# KiCad board amix 68k (r0).kicad_pcb
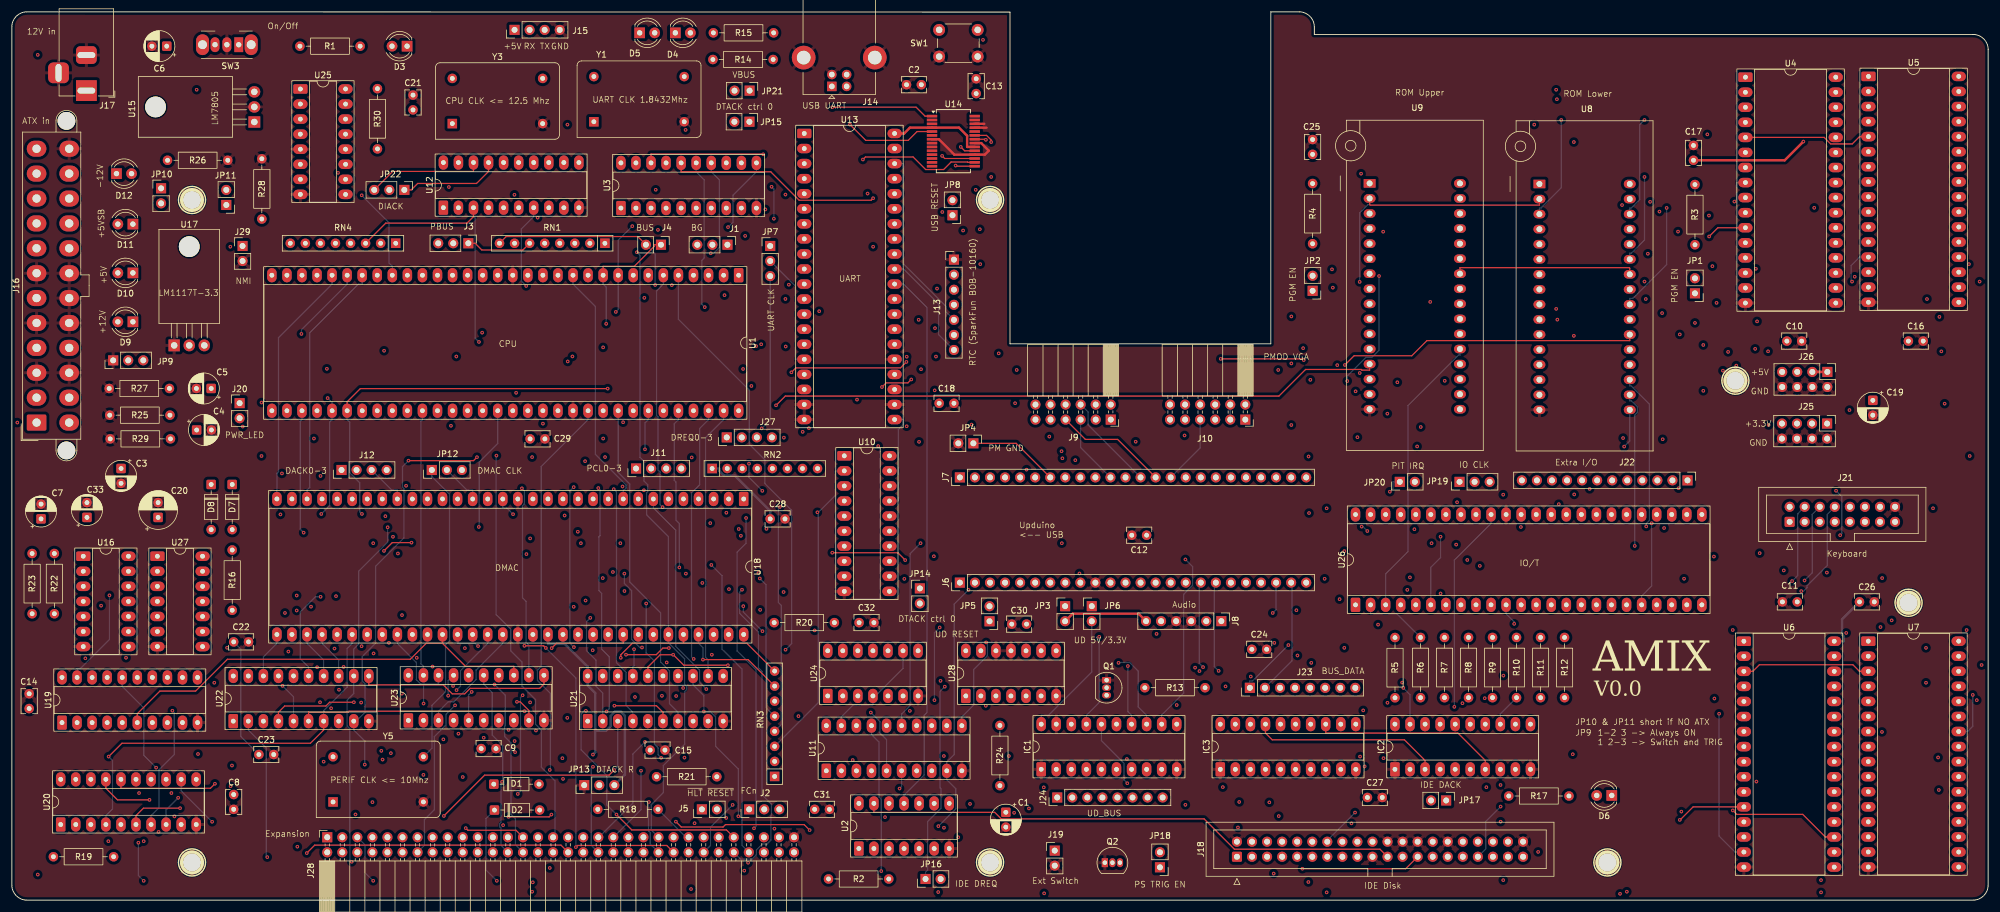
[diagram p0: board, top side]
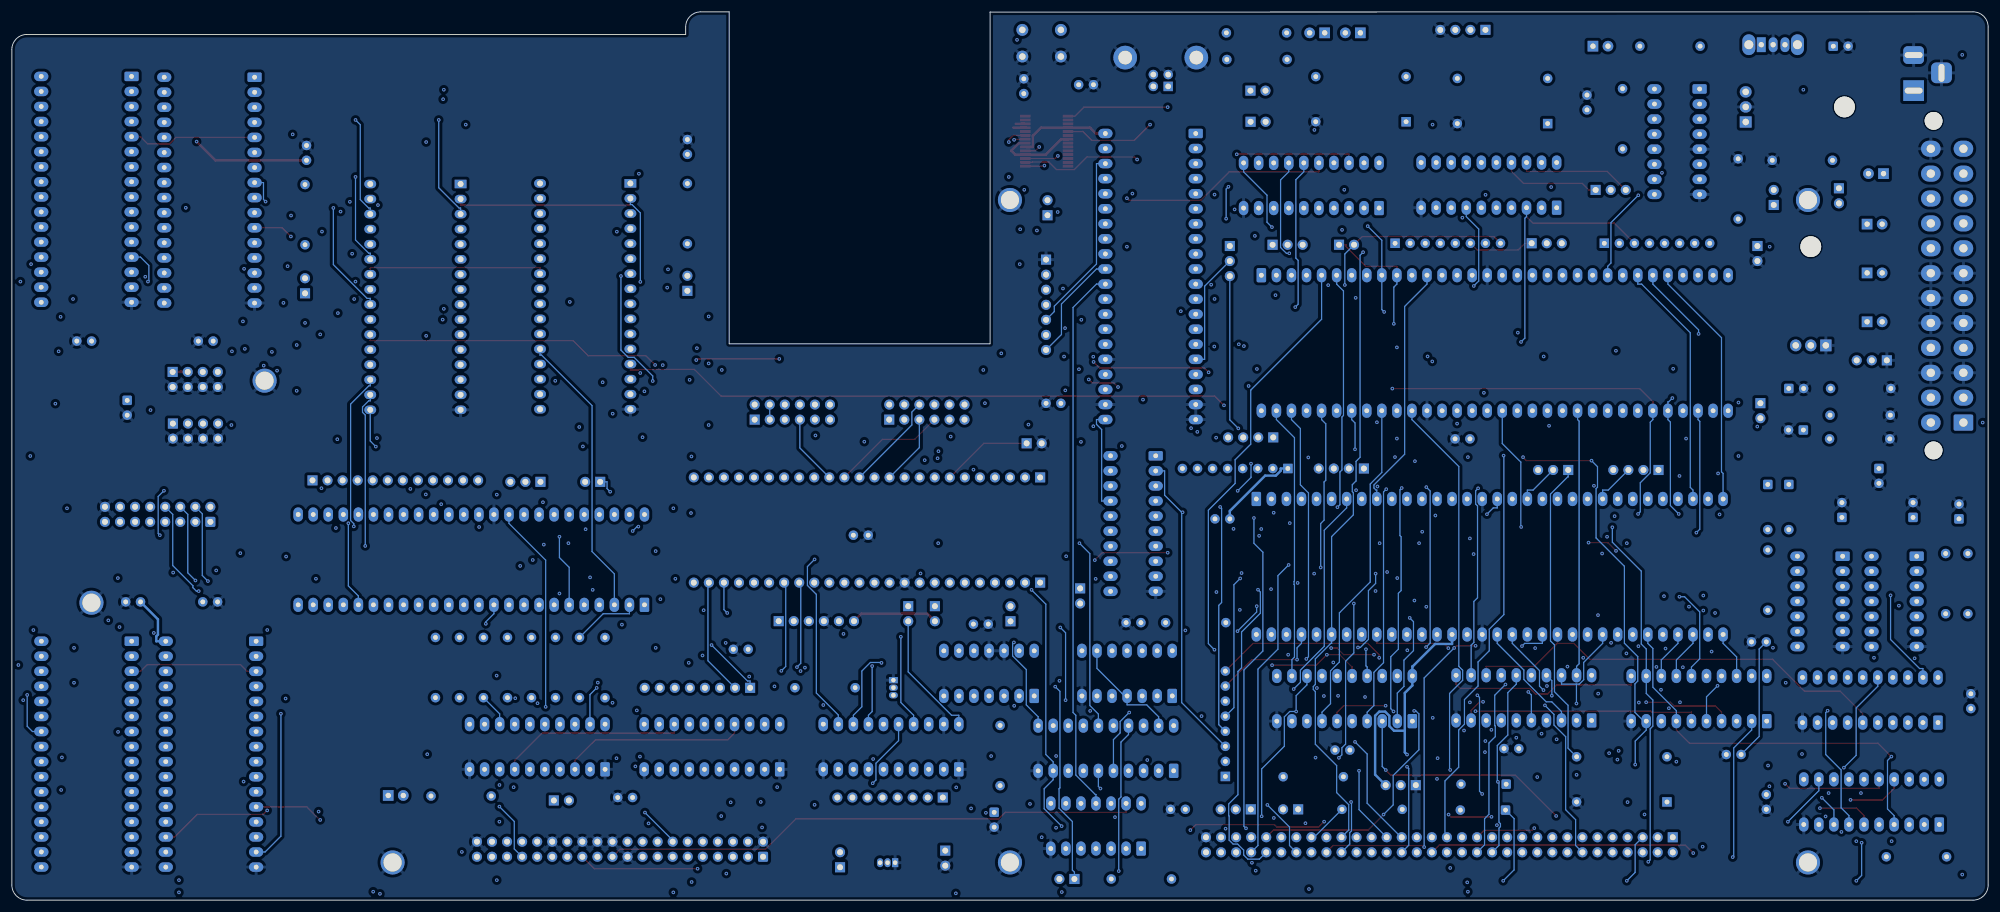
[diagram p1: board, bottom side, seen from below]

Outline 333.38 x 149.86 mm; copper layers: Top, In1.Cu, In2.Cu, Bottom. Coordinates in mm from the lower left corner of the outline.
Outline path: 0,147.32 arc(0.74,149.12) 2.54,149.86 168.37,149.82 168.37,93.86 212.37,93.86 212.37,149.86 217.17,149.86 arc(218.97,149.12) 219.71,147.32 219.71,146.05 330.84,146.05 arc(332.63,145.31) 333.38,143.51 333.38,2.54 arc(332.63,0.74) 330.84,0 2.54,0 arc(0.74,0.74) 0,2.54 0,147.32
Stack: Top 0.035mm / dielectric 0.1mm FR4 er 4.5 / In1.Cu 0.035mm / dielectric 1.24mm FR4 er 4.5 / In2.Cu 0.035mm / dielectric 0.1mm FR4 er 4.5 / Bottom 0.035mm

## Placement (name value [footprint] x y rotation side)
C1  C_Polarized  [CP_Radial_D5.0mm_P2.50mm]  167.67 14.82 270 top
C2  1uF  [C_Rect_L4.0mm_W2.5mm_P2.50mm]  150.92 137.57 0 top
C3  10uF  [CP_Radial_D5.0mm_P2.50mm]  18.42 72.82 270 top
C4  1uF  [CP_Radial_D5.0mm_P2.50mm]  31.17 79.32 0 top
C5  10uF  [CP_Radial_D5.0mm_P2.50mm]  33.63 86.32 180 top
C6  1uF  [CP_Radial_D5.0mm_P2.50mm]  26.13 144.07 180 top
C7  10uF  [CP_Radial_D5.0mm_P2.50mm]  4.92 64.32 90 top
C8  100nF  [C_Rect_L4.0mm_W2.5mm_P2.50mm]  37.42 17.82 270 top
C9  100nF  [C_Rect_L4.0mm_W2.5mm_P2.50mm]  79.17 25.57 0 top
C10  100nF  [C_Rect_L4.0mm_W2.5mm_P2.50mm]  299.42 94.32 0 top
C11  100nF  [C_Rect_L4.0mm_W2.5mm_P2.50mm]  301.17 50.32 180 top
C12  100nF  [C_Rect_L4.0mm_W2.5mm_P2.50mm]  191.42 61.57 180 top
C13  100nF  [C_Rect_L4.0mm_W2.5mm_P2.50mm]  162.67 136.07 90 top
C14  100nF  [C_Rect_L4.0mm_W2.5mm_P2.50mm]  2.92 32.32 90 top
C15  100nF  [C_Rect_L4.0mm_W2.5mm_P2.50mm]  107.67 25.32 0 top
C16  100nF  [C_Rect_L4.0mm_W2.5mm_P2.50mm]  319.92 94.32 0 top
C17  100nF  [C_Rect_L4.0mm_W2.5mm_P2.50mm]  283.67 124.82 90 top
C18  100nF  [C_Rect_L4.0mm_W2.5mm_P2.50mm]  156.42 83.82 0 top
C19  100uF  [CP_Radial_D5.0mm_P2.50mm]  313.92 84.32 270 top
C20  220uF  [CP_Radial_D6.3mm_P2.50mm]  24.67 64.57 90 top
C21  100nF  [C_Rect_L4.0mm_W2.5mm_P2.50mm]  67.67 133.32 90 top
C22  100nF  [C_Rect_L4.0mm_W2.5mm_P2.50mm]  37.42 43.57 0 top
C23  100nF  [C_Rect_L4.0mm_W2.5mm_P2.50mm]  41.67 24.57 0 top
C24  100nF  [C_Rect_L4.0mm_W2.5mm_P2.50mm]  209.17 42.32 0 top
C25  100nF  [C_Rect_L4.0mm_W2.5mm_P2.50mm]  219.42 125.82 90 top
C26  100nF  [C_Rect_L4.0mm_W2.5mm_P2.50mm]  311.67 50.32 0 top
C27  100nF  [C_Rect_L4.0mm_W2.5mm_P2.50mm]  228.67 17.32 0 top
C28  100nF  [C_Rect_L4.0mm_W2.5mm_P2.50mm]  127.92 64.32 0 top
C29  100nF  [C_Rect_L4.0mm_W2.5mm_P2.50mm]  87.42 77.82 0 top
C30  100nF  [C_Rect_L4.0mm_W2.5mm_P2.50mm]  171.17 46.57 180 top
C31  100nF  [C_Rect_L4.0mm_W2.5mm_P2.50mm]  135.42 15.32 0 top
C32  100nF  [C_Rect_L4.0mm_W2.5mm_P2.50mm]  142.92 46.82 0 top
C33  1uF  [CP_Radial_D5.0mm_P2.50mm]  12.67 64.57 90 top
D1  D  [D_DO-35_SOD27_P7.62mm_Horizontal]  81.3 19.57 0 top
D2  D  [D_DO-35_SOD27_P7.62mm_Horizontal]  81.41 15.2 0 top
D3  LED  [LED_D4.0mm]  66.67 144.07 180 top
D4  LED  [LED_D4.0mm]  111.92 146.32 0 top
D5  LED  [LED_D4.0mm]  105.9 146.32 0 top
D6  LED  [LED_D4.0mm]  269.88 17.66 180 top
D7  1N4148  [D_DO-35_SOD27_P7.62mm_Horizontal]  37.17 70.13 270 top
D8  1N4148  [D_DO-35_SOD27_P7.62mm_Horizontal]  33.62 70.13 270 top
D9  LED_+12  [LED_D4.0mm]  20.42 97.57 180 top
D10  LED_+5  [LED_D4.0mm]  20.42 105.82 180 top
D11  LED_+5SB  [LED_D4.0mm]  20.42 114.05 180 top
D12  LED_-12  [LED_D4.0mm]  17.65 122.57 0 top
HOLE1  HOLE  [Hole_3mm]  30.39 118.12 0 top
HOLE2  HOLE  [Hole_3mm]  165.01 118.12 0 top
HOLE3  HOLE  [Hole_3mm]  290.74 87.64 0 top
HOLE4  HOLE  [Hole_3mm]  30.39 6.36 0 top
HOLE5  HOLE  [Hole_3mm]  165.01 6.36 0 top
HOLE6  HOLE  [Hole_3mm]  269.15 6.36 0 top
HOLE7  HOLE  [Hole_3mm]  319.95 50.17 0 top
IC1  74HCT245  [DIP-20_W7.62mm_Socket_LongPads]  173.64 22.07 90 top
IC2  74HCT245  [DIP-20_W7.62mm_Socket_LongPads]  233.31 22.07 90 top
IC3  74HCT245  [DIP-20_W7.62mm_Socket_LongPads]  203.85 22.07 90 top
J1  BG  [PinHeader_1x03_P2.54mm_Vertical]  120.71 110.57 270 top
J2  FCx  [PinHeader_1x03_P2.54mm_Vertical]  124.38 15.32 90 top
J3  PRF  [PinHeader_1x03_P2.54mm_Vertical]  77 110.82 270 top
J4  BUS_STAT  [PinHeader_1x02_P2.54mm_Vertical]  109.5 110.57 270 top
J5  HLT and RESET  [PinHeader_1x02_P2.54mm_Vertical]  116.39 15.32 90 top
J6  Upduino_LHS  [PinHeader_1x24_P2.54mm_Vertical]  159.92 53.57 90 top
J7  Upduino_RHS  [PinHeader_1x24_P2.54mm_Vertical]  159.92 71.32 90 top
J8  Conn_01x06_Pin  [PinHeader_1x06_P2.54mm_Vertical]  204.02 47.07 270 top
J9  PMOD_TOP  [PinSocket_2x06_P2.54mm_Horizontal]  185.37 81.07 270 top
J10  PMOD_BOTTOM  [PinSocket_2x06_P2.54mm_Horizontal]  208.07 81.07 270 top
J11  Conn_01x04_Pin  [PinHeader_1x04_P2.54mm_Vertical]  105.3 72.82 90 top
J12  Conn_01x04_Pin  [PinHeader_1x04_P2.54mm_Vertical]  55.61 72.57 90 top
J13  RTC (SparkFun BOB-10160)  [PinHeader_1x07_P2.54mm_Vertical]  158.92 108.06 0 top
J14  USB_B  [USB_B_Lumberg_2411_02_Horizontal]  138.32 137.28 90 top
J15  Conn_01x04_Pin  [PinHeader_1x04_P2.54mm_Vertical]  84.8 146.82 90 top
J16  ATX-24 - IF NO 12V in  [Molex_Mini-Fit_Jr_5566-24A2_2x12_P4.20mm_Vertical]  4.17 80.57 90 top
J17  12V in if NO ATX  [BarrelJack_Horizontal]  12.57 136.57 270 top
J18  IDE 40 pin  [IDC-Header_2x20_P2.54mm_Vertical]  206.66 7.32 90 top
J19  ExtPWRON  [PinHeader_1x02_P2.54mm_Vertical]  175.92 8.36 0 top
J20  PWR_LED  [PinHeader_1x02_P2.54mm_Vertical]  38.42 83.84 0 top
J21  Conn_02x08_Odd_Even  [IDC-Header_2x08_P2.54mm_Vertical]  299.89 63.82 90 top
J22  PPI  [PinHeader_1x12_P2.54mm_Vertical]  282.66 70.82 270 top
J23  Conn_01x08_Pin  [PinHeader_1x08_P2.54mm_Vertical]  208.84 35.82 90 top
J24  Conn_01x08_Pin  [PinHeader_1x08_P2.54mm_Vertical]  176.34 17.32 90 top
J25  Conn_02x04_Odd_Even  [PinHeader_2x04_P2.54mm_Vertical]  306.21 80.4 270 top
J26  Conn_02x04_Odd_Even  [PinHeader_2x04_P2.54mm_Vertical]  306.25 89.11 270 top
J27  Conn_01x04_Pin  [PinHeader_1x04_P2.54mm_Vertical]  120.59 78.07 90 top
J28  Conn_02x32_Odd_Even  [PinSocket_2x32_P2.54mm_Horizontal]  53.2 10.61 90 top
J29  NMI  [PinHeader_1x02_P2.54mm_Vertical]  38.92 110.36 0 top
JP1  Jumper_2_Open  [PinHeader_1x02_P2.54mm_Vertical]  283.92 102.37 180 top
JP2  Jumper_2_Open  [PinHeader_1x02_P2.54mm_Vertical]  219.42 102.79 180 top
JP3  Jumper  [PinHeader_1x02_P2.54mm_Vertical]  177.67 49.59 0 top
JP4  Jumper  [PinHeader_1x02_P2.54mm_Vertical]  162.19 77.07 270 top
JP5  Jumper  [PinHeader_1x02_P2.54mm_Vertical]  164.92 47.04 180 top
JP6  Jumper  [PinHeader_1x02_P2.54mm_Vertical]  182.17 49.59 0 top
JP7  Jumper_3_Bridged12  [PinHeader_1x03_P2.54mm_Vertical]  127.92 110.36 0 top
JP8  Jumper_2_Open  [PinHeader_1x02_P2.54mm_Vertical]  158.67 115.54 180 top
JP9  1-2 3 - > Always ON, 1 2-3  -> Enabled On/Off  [PinHeader_1x03_P2.54mm_Vertical]  17.09 91.07 90 top
JP10  Close only if NO ATX  [PinHeader_1x02_P2.54mm_Vertical]  25.17 120.09 0 top
JP11  Close only if NO ATX  [PinHeader_1x02_P2.54mm_Vertical]  36.17 117.28 180 top
JP12  DMAC CLK  [PinHeader_1x03_P2.54mm_Vertical]  70.84 72.57 90 top
JP13  DTACK_Pull UP/DOWN  [PinHeader_1x03_P2.54mm_Vertical]  96.55 19.4 90 top
JP14  DTACK ctrl 0  [PinHeader_1x02_P2.54mm_Vertical]  153.17 52.59 0 top
JP15  DTACK ctrl 0  [PinHeader_1x02_P2.54mm_Vertical]  124.42 131.32 270 top
JP16  DMAAC_REQ0 = IDE  [PinHeader_1x02_P2.54mm_Vertical]  154.13 3.57 90 top
JP17  DMAAC_ACK0 = IDE  [PinHeader_1x02_P2.54mm_Vertical]  241.94 16.82 270 top
JP18  Jumper_2_Bridged  [PinHeader_1x02_P2.54mm_Vertical]  193.67 5.54 180 top
JP19  Jumper_3_Bridged12  [PinHeader_1x03_P2.54mm_Vertical]  244.21 70.57 90 top
JP20  Jumper_2_Bridged  [PinHeader_1x02_P2.54mm_Vertical]  234.13 70.57 90 top
JP21  Jumper_2_Open  [PinHeader_1x02_P2.54mm_Vertical]  124.44 136.57 270 top
JP22  Jumper_3_Bridged12  [PinHeader_1x03_P2.54mm_Vertical]  66.21 119.82 270 top
Q1  2N3904  [TO-92_Inline]  184.67 37.11 270 top
Q2  2N3904  [TO-92_Inline]  184.38 6.32 0 top
R1  1k  [R_Axial_DIN0207_L6.3mm_D2.5mm_P10.16mm_Horizontal]  48.59 144.07 0 top
R2  1k  [R_Axial_DIN0207_L6.3mm_D2.5mm_P10.16mm_Horizontal]  147.92 3.57 180 top
R3  10k  [R_Axial_DIN0207_L6.3mm_D2.5mm_P10.16mm_Horizontal]  283.92 110.57 90 top
R4  10k  [R_Axial_DIN0207_L6.3mm_D2.5mm_P10.16mm_Horizontal]  219.42 110.74 90 top
R5  R  [R_Axial_DIN0207_L6.3mm_D2.5mm_P10.16mm_Horizontal]  233.32 34.14 90 top
R6  R  [R_Axial_DIN0207_L6.3mm_D2.5mm_P10.16mm_Horizontal]  237.62 34.16 90 top
R7  R  [R_Axial_DIN0207_L6.3mm_D2.5mm_P10.16mm_Horizontal]  241.67 34.16 90 top
R8  R  [R_Axial_DIN0207_L6.3mm_D2.5mm_P10.16mm_Horizontal]  245.72 34.16 90 top
R9  R  [R_Axial_DIN0207_L6.3mm_D2.5mm_P10.16mm_Horizontal]  249.77 34.16 90 top
R10  R  [R_Axial_DIN0207_L6.3mm_D2.5mm_P10.16mm_Horizontal]  253.82 34.16 90 top
R11  R  [R_Axial_DIN0207_L6.3mm_D2.5mm_P10.16mm_Horizontal]  257.87 34.16 90 top
R12  R  [R_Axial_DIN0207_L6.3mm_D2.5mm_P10.16mm_Horizontal]  261.92 34.16 90 top
R13  150k  [R_Axial_DIN0207_L6.3mm_D2.5mm_P10.16mm_Horizontal]  201.28 35.84 180 top
R14  1k  [R_Axial_DIN0207_L6.3mm_D2.5mm_P10.16mm_Horizontal]  118.26 141.82 0 top
R15  1k  [R_Axial_DIN0207_L6.3mm_D2.5mm_P10.16mm_Horizontal]  118.34 146.32 0 top
R16  10k  [R_Axial_DIN0207_L6.3mm_D2.5mm_P10.16mm_Horizontal]  37.17 48.91 90 top
R17  1k  [R_Axial_DIN0207_L6.3mm_D2.5mm_P10.16mm_Horizontal]  262.67 17.57 180 top
R18  10k  [R_Axial_DIN0207_L6.3mm_D2.5mm_P10.16mm_Horizontal]  98.84 15.32 0 top
R19  10k  [R_Axial_DIN0207_L6.3mm_D2.5mm_P10.16mm_Horizontal]  17.17 7.32 180 top
R20  10k  [R_Axial_DIN0207_L6.3mm_D2.5mm_P10.16mm_Horizontal]  128.59 46.82 0 top
R21  10k  [R_Axial_DIN0207_L6.3mm_D2.5mm_P10.16mm_Horizontal]  108.76 20.82 0 top
R22  10k  [R_Axial_DIN0207_L6.3mm_D2.5mm_P10.16mm_Horizontal]  7.17 58.48 270 top
R23  470  [R_Axial_DIN0207_L6.3mm_D2.5mm_P10.16mm_Horizontal]  3.42 48.32 90 top
R24  150k  [R_Axial_DIN0207_L6.3mm_D2.5mm_P10.16mm_Horizontal]  166.67 29.48 270 top
R25  680  [R_Axial_DIN0207_L6.3mm_D2.5mm_P10.16mm_Horizontal]  26.67 81.82 180 top
R26  680  [R_Axial_DIN0207_L6.3mm_D2.5mm_P10.16mm_Horizontal]  26.26 124.82 0 top
R27  330  [R_Axial_DIN0207_L6.3mm_D2.5mm_P10.16mm_Horizontal]  26.58 86.32 180 top
R28  330  [R_Axial_DIN0207_L6.3mm_D2.5mm_P10.16mm_Horizontal]  42.17 114.91 90 top
R29  330  [R_Axial_DIN0207_L6.3mm_D2.5mm_P10.16mm_Horizontal]  26.75 77.82 180 top
R30  10k  [R_Axial_DIN0207_L6.3mm_D2.5mm_P10.16mm_Horizontal]  61.67 136.9 270 top
RN1  R_Network07  [R_Array_SIP8]  100.04 110.82 180 top
RN2  R_Network07  [R_Array_SIP8]  118.13 72.82 0 top
RN3  R_Network07  [R_Array_SIP8]  128.67 20.87 90 top
RN4  R_Network07  [R_Array_SIP8]  64.75 110.82 180 top
SW1  Reset  [SW_PUSH_6mm]  156.42 146.82 0 top
SW3  SW_SPDT  [SW_Slide_SPDT_Angled_CK_OS102011MA1Q]  38.27 144.32 180 top
U1  MC68010P  [DIP-64_W22.86mm_Socket_LongPads]  122.6 105.43 270 top
U2  74HC14  [DIP-14_W7.62mm_Socket_LongPads]  142.88 8.7 90 top
U3  GAL16V8  [DIP-20_W7.62mm_Socket_LongPads]  102.74 116.76 90 top
U4  AS6C4008-55PCN  [DIP-32_W15.24mm_Socket_LongPads]  292.43 138.84 0 top
U5  AS6C4008-55PCN  [DIP-32_W15.24mm_Socket_LongPads]  313.18 138.97 0 top
U6  AS6C4008-55PCN  [DIP-32_W15.24mm_Socket_LongPads]  292.17 43.68 0 top
U7  AS6C4008-55PCN  [DIP-32_W15.24mm_Socket_LongPads]  313.16 43.69 0 top
U8  SST39SF040  [DIP_Socket-32_W11.9_W12.7_W15.24_W17.78_W18.5_3M_232-1285-00-0602J]  257.68 120.82 0 top
U9  SST39SF040  [DIP_Socket-32_W11.9_W12.7_W15.24_W17.78_W18.5_3M_232-1285-00-0602J]  229.04 120.92 0 top
U10  GAL16V8  [DIP-20_W7.62mm_Socket_LongPads]  140.42 74.96 0 top
U11  GAL16V8  [DIP-20_W7.62mm_Socket_LongPads]  137.39 21.82 90 top
U12  GAL16V8  [DIP-20_W7.62mm_Socket_LongPads]  72.79 116.82 90 top
U13  16550  [DIP-40_W15.24mm_Socket_LongPads]  133.67 129.34 0 top
U14  FT232RL  [SSOP-28_5.3x10.2mm_P0.65mm]  158.82 128.04 0 top
U15  LM7805_TO220  [TO-220-3_Horizontal_TabDown]  40.9 131.28 90 top
U16  74HC74  [DIP-14_W7.62mm_Socket_LongPads]  12.05 58.02 0 top
U17  LM1117T-3.3  [TO-220-3_Horizontal_TabDown]  27.38 93.59 0 top
U18  MC68450  [DIP-64_W22.86mm_Socket_LongPads]  123.45 67.68 270 top
U19  74HC245  [DIP-20_W7.62mm_Socket_LongPads]  8.46 29.95 90 top
U20  74HC245  [DIP-20_W7.62mm_Socket_LongPads]  8.24 12.76 90 top
U21  74HC245  [DIP-20_W7.62mm_Socket_LongPads]  97.13 30.2 90 top
U22  74HC373  [DIP-20_W7.62mm_Socket_LongPads]  37.35 30.2 90 top
U23  74HC373  [DIP-20_W7.62mm_Socket_LongPads]  66.89 30.32 90 top
U24  74LS32  [DIP-14_W7.62mm_Socket_LongPads]  137.63 34.45 90 top
U25  74LS148  [DIP-16_W7.62mm_Socket_LongPads]  48.67 136.85 0 top
U26  68230  [DIP-48_W15.24mm_Socket_LongPads]  226.66 49.82 90 top
U27  74HC14  [DIP-14_W7.62mm_Socket_LongPads]  24.55 58.02 0 top
U28  74HC74  [DIP-14_W7.62mm_Socket_LongPads]  160.92 34.45 90 top
Y1  1.8432Mhz  [Oscillator_DIP-14]  98.18 131.32 0 top
Y3  12Mhz  [Oscillator_DIP-14]  74.3 131.01 0 top
Y5  10Mhz  [Oscillator_DIP-14]  54.18 16.57 0 top

## Library data of the parts
C1 C3-C7 C33 = -: Description: Polarized capacitor; ki_fp_filters: CP_*
C2 = -: Description: Unpolarized capacitor; ki_fp_filters: C_*
C8-C18 C21-C32 = -: ki_fp_filters: C_*
C19 C20 = -: ki_fp_filters: CP_*
D1 D2 = -: Description: Diode; Sim.Pins: 1=K 2=A; ki_fp_filters: TO-???* *_Diode_* *SingleDiode* D_*
D3-D6 D9-D12 = -: Description: Light emitting diode; Sim.Pins: 1=K 2=A; ki_fp_filters: LED* LED_SMD:* LED_THT:*
D7 D8 = -: Datasheet: https://assets.nexperia.com/documents/data-sheet/1N4148_1N4448.pdf; Description: 100V 0.15A standard switching diode, DO-35; Sim.Device: D; Sim.Pins: 1=K 2=A; ki_fp_filters: D*DO?35*
HOLE1-HOLE7 = -: ki_fp_filters: MountingHole*Pad*
IC1-IC3 = -: Datasheet: http://www.ti.com/lit/gpn/sn74LS245; ki_fp_filters: DIP?20*
J1-J3 = -: Description: Generic connector, single row, 01x03, script generated; ki_fp_filters: Connector*:*_1x??_*
J4 J5 J19 J20 J29 = -: Description: Generic connector, single row, 01x02, script generated; ki_fp_filters: Connector*:*_1x??_*
J6 J7 = -: Description: Generic connector, single row, 01x24, script generated; ki_fp_filters: Connector*:*_1x??_*
J8 = -: Description: Generic connector, single row, 01x06, script generated; ki_fp_filters: Connector*:*_1x??_*
J9 J10 = -: ki_fp_filters: Connector*:*_2x??_*
J11 J12 J15 J27 = -: Description: Generic connector, single row, 01x04, script generated; ki_fp_filters: Connector*:*_1x??_*
J13 = -: ki_fp_filters: Connector*:*_1x??_*
J14 = -: Description: USB Type B connector; ki_fp_filters: USB*
J16 = -: Datasheet: https://www.intel.com/content/dam/www/public/us/en/documents/guides/power-supply-design-guide-june.pdf#page=33; Description: ATX Power supply 24pins; ki_fp_filters: *Mini?Fit*2x12*Vertical* *Mini?Fit*2x12*Horizontal*
J17 = -: Description: DC Barrel Jack with an internal switch; ki_fp_filters: BarrelJack*
J18 = -: Description: Generic connector, double row, 02x20, odd/even pin numbering scheme (row 1 odd numbers, row 2 even numbers), script generated (kicad-library-utils/schlib/autogen/connector/); ki_fp_filters: Connector*:*_2x??_*
J21 = -: Description: Generic connector, double row, 02x08, odd/even pin numbering scheme (row 1 odd numbers, row 2 even numbers), script generated (kicad-library-utils/schlib/autogen/connector/); ki_fp_filters: Connector*:*_2x??_*
J22 = -: Description: Generic connector, single row, 01x12, script generated; ki_fp_filters: Connector*:*_1x??_*
J23 J24 = -: Description: Generic connector, single row, 01x08, script generated; ki_fp_filters: Connector*:*_1x??_*
J25 J26 = -: Description: Generic connector, double row, 02x04, odd/even pin numbering scheme (row 1 odd numbers, row 2 even numbers), script generated (kicad-library-utils/schlib/autogen/connector/); ki_fp_filters: Connector*:*_2x??_*
J28 = -: Description: Generic connector, double row, 02x32, odd/even pin numbering scheme (row 1 odd numbers, row 2 even numbers), script generated (kicad-library-utils/schlib/autogen/connector/); ki_fp_filters: Connector*:*_2x??_*
JP1 JP2 JP8 JP10 JP11 JP14 JP15 JP21 = -: Description: Jumper, 2-pole, open; ki_fp_filters: Jumper* TestPoint*2Pads* TestPoint*Bridge*
JP3-JP6 = -: ki_fp_filters: Jumper* TestPoint*2Pads* TestPoint*Bridge*
JP7 JP12 JP13 JP19 JP22 = -: Description: Jumper, 3-pole, pins 1+2 closed/bridged; ki_fp_filters: Jumper* TestPoint*3Pads* TestPoint*Bridge*
JP9 = -: Description: Jumper, 3-pole, both open; ki_fp_filters: Jumper* TestPoint*3Pads* TestPoint*Bridge*
JP16-JP18 JP20 = -: Description: Jumper, 2-pole, closed/bridged; ki_fp_filters: Jumper* TestPoint*2Pads* TestPoint*Bridge*
Q1 Q2 = -: Datasheet: https://www.onsemi.com/pub/Collateral/2N3903-D.PDF; Description: 0.2A Ic, 40V Vce, Small Signal NPN Transistor, TO-92; ki_fp_filters: TO?92*
R1-R30 = -: Description: Resistor; ki_fp_filters: R_*
RN1-RN4 = -: Datasheet: http://www.vishay.com/docs/31509/csc.pdf; Description: 7 resistor network, star topology, bussed resistors, small symbol; ki_fp_filters: R?Array?SIP*
SW1 = -: Description: Push button switch, generic, two pins
SW3 = -: Description: Switch, single pole double throw
U1 = -: Datasheet: https://www.nxp.com/docs/en/reference-manual/MC68000UM.pdf; Description: 16/32-bit microprocessor, 16-bit external data bus, 23-bit external address bus (effectively 24-bit), virtual memory support, loop mode, DIP-64 (900 mil, case 754-01); ki_fp_filters: DIP*W22.86mm*
U2 U27 = -: Datasheet: http://www.ti.com/lit/gpn/sn74HC14; Description: Hex inverter schmitt trigger; ki_fp_filters: DIP*W7.62mm*
U3 U10-U12 = -: Description: Programmable Logic Array, DIP-20/SOIC-20/PLCC-20; ki_fp_filters: DIP* PDIP* SOIC* SO* PLCC*
U4-U7 = -: Datasheet: https://www.alliancememory.com/wp-content/uploads/pdf/AS6C4008.pdf; Description: 512K x 8 Low Power CMOS RAM, DIP-32; ki_fp_filters: DIP*W15.24mm*
U8 U9 = -: Datasheet: http://ww1.microchip.com/downloads/en/DeviceDoc/25022B.pdf; Description: Silicon Storage Technology (SSF) 512k x 8 Flash ROM
U13 = -: Datasheet: http://www.ti.com/lit/ds/symlink/pc16550d.pdf; Description: PC16550D, Universal Asynchronous Receiver/Transmitter with FIFOs, PDIP-40; ki_fp_filters: DIP*W15.24mm*
U14 = -: Datasheet: https://www.ftdichip.com/Support/Documents/DataSheets/ICs/DS_FT232R.pdf; Description: USB to Serial Interface, SSOP-28; ki_fp_filters: SSOP*5.3x10.2mm*P0.65mm*
U15 = -: Datasheet: https://www.onsemi.cn/PowerSolutions/document/MC7800-D.PDF; Description: Positive 1A 35V Linear Regulator, Fixed Output 5V, TO-220; ki_fp_filters: TO?220*
U16 U28 = -: Datasheet: 74xx/74hc_hct74.pdf; Description: Dual D Flip-flop, Set & Reset; ki_fp_filters: DIP*W7.62mm*
U17 = -: Datasheet: http://www.ti.com/lit/ds/symlink/lm1117.pdf; Description: 800mA Low-Dropout Linear Regulator, 3.3V fixed output, TO-220; ki_fp_filters: TO?220*
U19-U21 = -: Datasheet: http://www.ti.com/lit/gpn/sn74HC245; Description: Octal BUS Transceivers, 3-State outputs; ki_fp_filters: DIP?20*
U22 U23 = -: Datasheet: https://www.ti.com/lit/ds/symlink/cd54hc373.pdf; Description: 8-bit Latch, 3-state outputs; ki_fp_filters: DIP?20* SOIC?20* SO?20* SSOP?20* TSSOP?20*
U24 = -: Datasheet: http://www.ti.com/lit/gpn/sn74LS32; Description: Quad 2-input OR; ki_fp_filters: DIP?14*
U25 = -: Datasheet: http://www.ti.com/lit/gpn/sn74LS148; Description: Priority Encoder 3 to 8 cascadable; ki_fp_filters: DIP?16*
U26 = -: Description: PIT Interface parallele et Timer
Y1 Y3 Y5 = -: Datasheet: http://cdn-reichelt.de/documents/datenblatt/B400/OSZI.pdf; Description: Crystal Clock Oscillator, DIP14-style metal package; ki_fp_filters: Oscillator*DIP*14*

## Footprints (pads in the part's own frame, mm; a bottom-side part is the same pattern mirrored in y, then rotated)
BarrelJack_Horizontal
  rect 3.5x3.5 hole 1x3: 1(0,0)
  rrect 3x3.5 hole 1x3: 2(-6,0)
  rrect 3.5x3.5 hole 3x1: 3(-3,-4.7)
C_Rect_L4.0mm_W2.5mm_P2.50mm
  round 1.6 hole 0.8: 1(0,0) 2(2.5,0)
CP_Radial_D5.0mm_P2.50mm
  rrect 1.6x1.6 hole 0.8: 1(0,0)
  round 1.6 hole 0.8: 2(2.5,0)
CP_Radial_D6.3mm_P2.50mm
  rrect 1.6x1.6 hole 0.8: 1(0,0)
  round 1.6 hole 0.8: 2(2.5,0)
D_DO-35_SOD27_P7.62mm_Horizontal
  rrect 1.6x1.6 hole 0.8: 1(0,0)
  round 1.6 hole 0.8: 2(7.62,0)
DIP-14_W7.62mm_Socket_LongPads
  rrect 2.4x1.6 hole 0.8: 1(0,0)
  oval 2.4x1.6 hole 0.8: 2(0,-2.54) 3(0,-5.08) 4(0,-7.62) 5(0,-10.16) 6(0,-12.7) 7(0,-15.24) 8(7.62,-15.24) 9(7.62,-12.7) 10(7.62,-10.16) 11(7.62,-7.62) 12(7.62,-5.08) 13(7.62,-2.54) 14(7.62,0)
DIP-16_W7.62mm_Socket_LongPads
  rrect 2.4x1.6 hole 0.8: 1(0,0)
  oval 2.4x1.6 hole 0.8: 2(0,-2.54) 3(0,-5.08) 4(0,-7.62) 5(0,-10.16) 6(0,-12.7) 7(0,-15.24) 8(0,-17.78) 9(7.62,-17.78) 10(7.62,-15.24) 11(7.62,-12.7) 12(7.62,-10.16) 13(7.62,-7.62) 14(7.62,-5.08) 15(7.62,-2.54) 16(7.62,0)
DIP-20_W7.62mm_Socket_LongPads
  rrect 2.4x1.6 hole 0.8: 1(0,0)
  oval 2.4x1.6 hole 0.8: 2(0,-2.54) 3(0,-5.08) 4(0,-7.62) 5(0,-10.16) 6(0,-12.7) 7(0,-15.24) 8(0,-17.78) 9(0,-20.32) 10(0,-22.86) 11(7.62,-22.86) 12(7.62,-20.32) 13(7.62,-17.78) 14(7.62,-15.24) 15(7.62,-12.7) 16(7.62,-10.16) 17(7.62,-7.62) 18(7.62,-5.08) 19(7.62,-2.54) 20(7.62,0)
DIP-32_W15.24mm_Socket_LongPads
  rrect 2.4x1.6 hole 0.8: 1(0,0)
  oval 2.4x1.6 hole 0.8: 2(0,-2.54) 3(0,-5.08) 4(0,-7.62) 5(0,-10.16) 6(0,-12.7) 7(0,-15.24) 8(0,-17.78) 9(0,-20.32) 10(0,-22.86) 11(0,-25.4) 12(0,-27.94) 13(0,-30.48) 14(0,-33.02) 15(0,-35.56) 16(0,-38.1) 17(15.24,-38.1) 18(15.24,-35.56) 19(15.24,-33.02) 20(15.24,-30.48) 21(15.24,-27.94) 22(15.24,-25.4) 23(15.24,-22.86) 24(15.24,-20.32) 25(15.24,-17.78) 26(15.24,-15.24) 27(15.24,-12.7) 28(15.24,-10.16) 29(15.24,-7.62) 30(15.24,-5.08) 31(15.24,-2.54) 32(15.24,0)
DIP-40_W15.24mm_Socket_LongPads
  rrect 2.4x1.6 hole 0.8: 1(0,0)
  oval 2.4x1.6 hole 0.8: 2(0,-2.54) 3(0,-5.08) 4(0,-7.62) 5(0,-10.16) 6(0,-12.7) 7(0,-15.24) 8(0,-17.78) 9(0,-20.32) 10(0,-22.86) 11(0,-25.4) 12(0,-27.94) 13(0,-30.48) 14(0,-33.02) 15(0,-35.56) 16(0,-38.1) 17(0,-40.64) 18(0,-43.18) 19(0,-45.72) 20(0,-48.26) 21(15.24,-48.26) 22(15.24,-45.72) 23(15.24,-43.18) 24(15.24,-40.64) 25(15.24,-38.1) 26(15.24,-35.56) 27(15.24,-33.02) 28(15.24,-30.48) 29(15.24,-27.94) 30(15.24,-25.4) 31(15.24,-22.86) 32(15.24,-20.32) 33(15.24,-17.78) 34(15.24,-15.24) 35(15.24,-12.7) 36(15.24,-10.16) 37(15.24,-7.62) 38(15.24,-5.08) 39(15.24,-2.54) 40(15.24,0)
DIP-48_W15.24mm_Socket_LongPads
  rrect 2.4x1.6 hole 0.8: 1(0,0)
  oval 2.4x1.6 hole 0.8: 2(0,-2.54) 3(0,-5.08) 4(0,-7.62) 5(0,-10.16) 6(0,-12.7) 7(0,-15.24) 8(0,-17.78) 9(0,-20.32) 10(0,-22.86) 11(0,-25.4) 12(0,-27.94) 13(0,-30.48) 14(0,-33.02) 15(0,-35.56) 16(0,-38.1) 17(0,-40.64) 18(0,-43.18) 19(0,-45.72) 20(0,-48.26) 21(0,-50.8) 22(0,-53.34) 23(0,-55.88) 24(0,-58.42) 25(15.24,-58.42) 26(15.24,-55.88) 27(15.24,-53.34) 28(15.24,-50.8) 29(15.24,-48.26) 30(15.24,-45.72) 31(15.24,-43.18) 32(15.24,-40.64) 33(15.24,-38.1) 34(15.24,-35.56) 35(15.24,-33.02) 36(15.24,-30.48) 37(15.24,-27.94) 38(15.24,-25.4) 39(15.24,-22.86) 40(15.24,-20.32) 41(15.24,-17.78) 42(15.24,-15.24) 43(15.24,-12.7) 44(15.24,-10.16) 45(15.24,-7.62) 46(15.24,-5.08) 47(15.24,-2.54) 48(15.24,0)